# Allegro board 1119394-C028P02-36-DE2-C01_pcb.brd (continued)
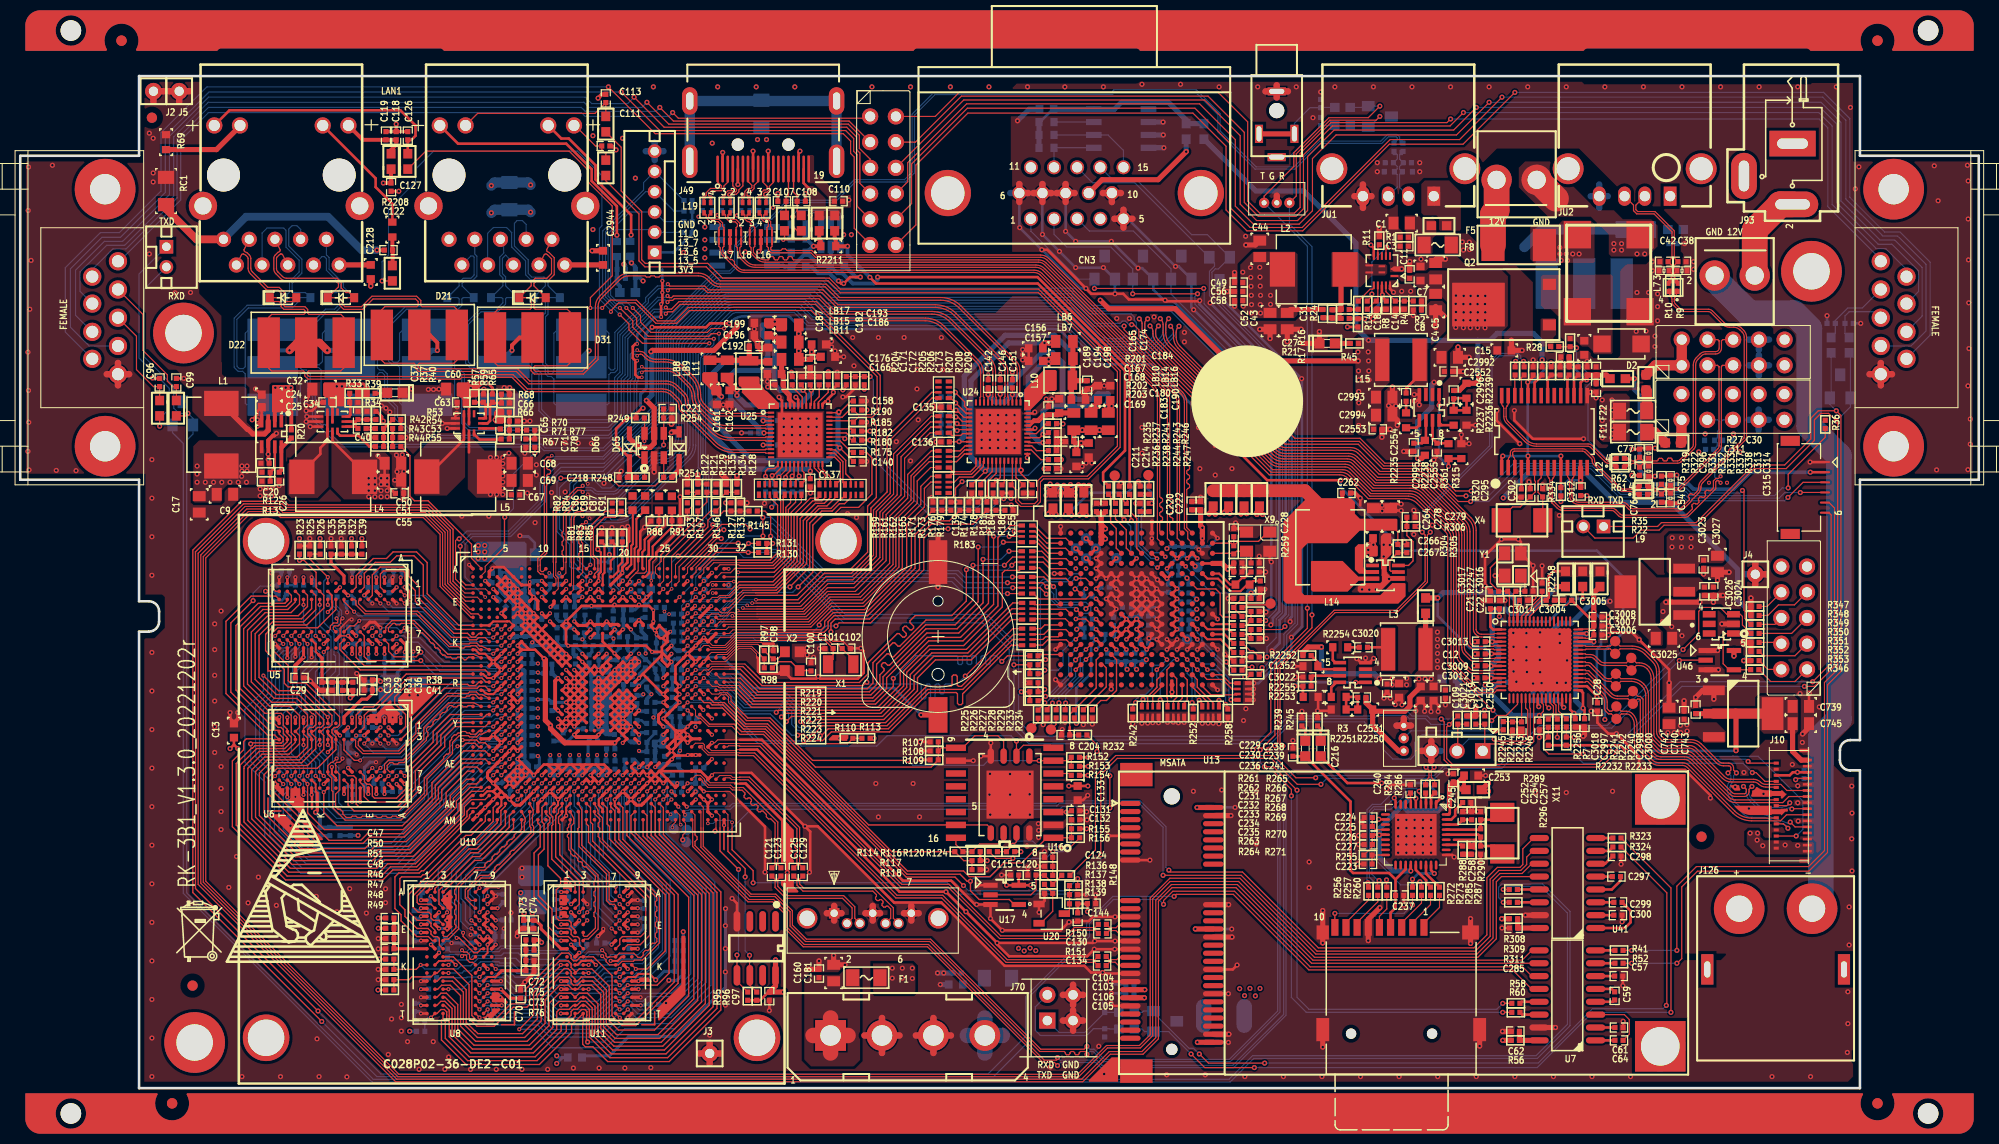
[diagram p0: board, top side]
## Routing (per net, layer and track width the routed paths; a pad name or vN(x,y) marks a point on that pad's centre or on a via; arc(x,y) is an arc through that point) (continued)
  BOTTOM w0.114: v2(174.6,58.37) 174.27,58.04 164.64,58.04 164.29,58.39 157.94,58.39 155.12,61.21 148.29,61.21 145.03,57.96 v2(143.26,57.96) ; v2(123.04,65.53) 122.3,66.27 122.3,68.12 113.64,76.78 105.66,76.78 103.96,78.49 80.14,78.49 79.1,79.53 68.94,79.53 63.77,74.37 63.77,67.15 57.58,60.96 53.39,60.96 51.87,59.44 51.87,57.94 48.44,54.51 44.68,54.51 43.94,53.77 43.94,50.5 v3(45.92,48.51)
GPIO8_4: length 0.6
  TOP w0.127: U10.J28 v1(66.72,45.32)
GPIO11_0: length 57.4
  TOP w0.095: U10.C25 64.34,50.14 64.34,52.53 64.39,52.58
  TOP w0.114: v1(59.21,76.43) 60.12,75.52 60.12,74.93 61.46,73.6 v1(68.06,73.6) ; v2(67.44,55.63) 64.39,52.58
  BOTTOM w0.114: R2260.1 65.53,87.71 J128.5 61.57,89.48 61.57,88.75 57.53,84.71 57.53,78.11 v1(59.21,76.43) ; v2(67.44,55.63) 67.44,60.86 66.97,61.33 66.97,72.5 v1(68.06,73.6)
GPIO13_4: length 99.2
  TOP w0.095: 67.13,52.22 66.32,51.41 U10.A28
  TOP w0.114: v2(145.72,35.31) 145.82,35.41 R2256.1 ; 67.13,52.22 68.76,53.85 v2(70.92,53.85)
  BOTTOM w0.114: v2(145.72,35.31) 145.34,34.92 138.48,34.92 137.72,34.16 137.72,32.89 137.34,32.51 135.56,32.51 134.6,33.47 134.6,34.35 132.75,36.2 125.65,36.2 123.49,34.04 99.62,34.04 97.69,35.97 97.69,43.33 95.05,45.97 81.33,45.97 74.85,52.45 71.42,52.45 70.92,52.96 v2(70.92,53.85)
GPIO13_5: length 53.8
  TOP w0.095: 66.65,52.53 65.52,51.4 U10.A27
  TOP w0.114: v1(60.5,77.09) 61.26,76.33 61.26,75.69 62.28,74.68 67.87,74.68 68.25,75.06 v1(69.52,75.06) ; v2(69.49,55.17) 69.29,55.17 66.65,52.53
  BOTTOM w0.114: v1(60.5,77.09) 59.84,77.75 58.91,77.75 58.32,78.34 58.32,84.3 58.85,84.84 62.4,84.84 J128.2 62.68,84.56 R2257.1 ; v2(69.49,55.17) 69.22,55.45 69.22,55.96 68.35,56.82 68.35,61.39 67.69,62.05 67.69,71.99 69.52,73.82 v1(69.52,75.06)
GPIO13_6: length 55.2
  TOP w0.095: 66.83,52.35 65.91,51.44 65.91,50.9 65.53,50.52 U10.B27
  TOP w0.114: 66.83,52.35 68.78,54.31 v2(69.24,54.31) ; v1(69.01,74.55) 68.25,74.55 68,74.3 62.03,74.3 60.88,75.44 60.88,76.07 v1(59.87,77.09)
  BOTTOM w0.114: v1(69.01,74.55) 69.01,73.65 67.45,72.09 67.45,61.79 68,61.24 68,56.74 68.94,55.8 68.94,54.61 v2(69.24,54.31) ; R2258.1 63.61,85.62 J128.3 60.21,86.58 58.06,84.43 58.06,78.26 58.83,77.5 59.46,77.5 v1(59.87,77.09)
GPIO13_7: length 55.5
  TOP w0.095: U10.B26 64.72,51.71 65.58,52.58
  TOP w0.114: 65.58,52.58 68.4,55.4 v2(68.4,55.65) ; v1(59.23,77.09) 60.5,75.82 60.5,75.18 61.65,74.04 v1(68.5,74.04)
  BOTTOM w0.114: v2(68.4,55.65) 67.74,56.31 67.74,60.96 67.21,61.49 67.21,72.19 68.5,73.48 v1(68.5,74.04) ; v1(59.23,77.09) 58.89,77.09 57.81,78.17 57.81,84.61 61.77,88.58 J128.4 64.57,86.66 R2259.1
HDMI_5V_DET: length 147.9
  TOP w0.114: U1.26 150.69,37.86 v2(150.98,37.57)
  TOP w0.254: v2(61.52,67.18) 61.39,67.18 60.83,66.62 R249.2 59.92,66.22 58.85,65.15 58.85,63.6 60.17,62.28 D66.1 ; v2(62.41,75.18) 67.74,75.18 68.12,75.57 v2(70.03,75.57) ; v2(116.08,67.16) 123.16,60.07 v2(130.43,60.07)
  TOP w0.508: R248.2 C218.1 60.17,60.55 D66.1
  PWR03 w0.254: v2(156.51,36.42) 152.15,36.42 151,37.57 v2(150.98,37.57)
  BOTTOM w0.254: v2(116.08,67.16) 111.71,71.53 106.07,71.53 102.96,74.64 arc(102.55,74.91) 102.07,75.01 77.19,75.01 75.92,76.28 71.54,76.28 arc(70.8,76.13) 70.17,75.71 v2(70.03,75.57) ; v2(130.43,60.07) 130.43,59.36 136.68,53.11 155.73,53.11 158.32,50.52 158.32,45.03 156.51,43.23 v2(156.51,36.42)
  BOTTOM w0.305: v2(62.41,75.18) 61.77,74.55 61.77,72.08 61.85,72 61.85,69.16 61.26,68.58 61.26,67.44 v2(61.52,67.18)
HDMI_7842_5V: length 60.6
  TOP w0.254: v2(84.68,80.14) 100.48,80.14 109.58,71.04 R241.1
  TOP w0.381: v2(78.36,83.19) R2211.2 79.07,83.67 78.92,83.82 LB12.1
  BOTTOM w0.381: 77.65,82.55 R1119.1 76.23,81.15 C2378.2 75.49,81.15 75.36,81.28 U58.8 ; 77.65,82.55 78.92,81.28 C2991.2 ; 77.65,82.55 78.28,83.19 v2(78.36,83.19) 77.62,83.92 R1121.1 R1120.1 ; v2(84.68,80.14) 84.68,79.88 84.3,79.5 82.22,79.5 81.2,80.52 80.7,80.52 80,81.22 C2991.2 ; C2991.2 80.06,81.34 U75.5
HDMI_7842_HPD: length 49
  TOP w0.254: R235.1 106.96,60.02 106.96,60.83 109.12,62.99 109.12,70.89 100.51,79.5 84.53,79.5 v2(83.92,80.11)
  TOP w0.381: L30.2 80.44,83.95 80.54,83.85 R2211.1 v2(81.71,83.19)
  BOTTOM w0.381: U75.4 81.65,83.13 v2(81.71,83.19) 81.71,82.32 v2(83.92,80.11)
HDMI_7842_TX0+: length 67
  TOP w0.114: U32.B13 114.27,54.33 114.27,67.67 arc(114.16,68.22) 113.85,68.69 101.18,81.36 arc(100.9,81.55) 100.58,81.61 73.57,81.61 arc(73.1,81.7) 72.69,81.97 72.19,82.48 72.19,82.57 72.19,83.04 72.05,83.17 U62.1 U62.8 72.05,85.02 72.19,85.16 72.19,85.4 71.97,85.62 71.83,85.62 71.56,85.88 71.56,86.27 L18.2
HDMI_7842_TX0-: length 67.1
  TOP w0.114: U32.A13 114.5,55.1 114.5,67.67 arc(114.38,68.31) 114.01,68.85 101.34,81.53 arc(100.99,81.76) 100.58,81.84 76.39,81.84 76.27,81.95 76.27,82.05 76.16,82.17 75.93,82.17 75.82,82.05 75.82,81.95 75.7,81.84 75.47,81.84 75.36,81.95 75.36,82.05 75.25,82.17 75.02,82.17 74.9,82.05 74.9,81.95 74.79,81.84 74.56,81.84 74.45,81.95 74.45,82.05 74.33,82.17 74.1,82.17 73.99,82.05 73.99,81.95 73.87,81.84 73.57,81.84 arc(73.18,81.92) 72.86,82.14 72.42,82.58 72.42,83.04 72.55,83.17 U62.2 U62.7 72.55,85.03 72.42,85.16 72.42,85.5 72.06,85.85 71.92,85.85 71.79,85.98 71.79,86.27 L18.3
HDMI_7842_TX1+: length 68
  TOP w0.114: U32.B12 113.31,54.3 113.31,67.91 arc(113.2,68.48) 112.88,68.96 101.03,80.81 arc(100.7,81.03) 100.32,81.1 72.58,81.1 arc(72.06,81.21) 71.62,81.5 71.16,81.96 arc(70.92,82.31) 70.84,82.73 70.84,83.04 70.7,83.17 U63.3 U63.6 70.7,85.02 70.84,85.16 70.84,85.37 70.61,85.6 70.07,85.6 69.66,86.01 69.66,86.27 L17.4
HDMI_7842_TX1-: length 68
  TOP w0.114: U32.A12 113.54,55.07 113.54,55.81 113.65,55.93 113.73,55.93 113.84,56.04 113.84,56.27 113.73,56.38 113.65,56.38 113.54,56.5 113.54,56.73 113.65,56.84 113.73,56.84 113.84,56.96 113.84,57.19 113.73,57.3 113.65,57.3 113.54,57.41 113.54,57.64 113.65,57.76 113.73,57.76 113.84,57.87 113.84,58.1 113.73,58.21 113.65,58.21 113.54,58.33 113.54,67.91 arc(113.41,68.57) 113.04,69.12 101.19,80.97 arc(100.79,81.24) 100.32,81.33 72.58,81.33 arc(72.15,81.42) 71.78,81.66 71.32,82.12 arc(71.13,82.4) 71.07,82.73 71.07,83.04 71.2,83.17 U63.4 U63.5 71.2,85.03 71.07,85.16 71.07,85.47 70.71,85.83 70.17,85.83 69.89,86.11 69.89,86.27 L17.1
HDMI_7842_TX2+: length 69
  TOP w0.114: L19.2 67.75,86.27 67.75,86.01 68.14,85.62 68.92,85.62 69.14,85.4 69.14,85.16 69,85.02 U63.8 U63.1 69,83.17 69.14,83.04 69.14,82.92 arc(69.21,82.56) 69.41,82.26 70.78,80.89 arc(71.11,80.67) 71.49,80.59 100.14,80.59 arc(100.47,80.53) 100.76,80.34 111.74,69.35 arc(112.17,68.72) 112.32,67.96 112.32,54.29 U32.B11
HDMI_7842_TX2-: length 68.9
  TOP w0.114: L19.3 67.98,86.27 67.98,86.11 68.24,85.85 69.01,85.85 69.37,85.5 69.37,85.16 69.5,85.03 U63.7 U63.2 69.5,83.17 69.37,83.04 69.37,82.92 arc(69.42,82.65) 69.57,82.42 70.12,81.87 70.32,81.87 70.54,81.65 70.54,81.45 70.94,81.05 arc(71.2,80.88) 71.49,80.82 100.14,80.82 arc(100.56,80.74) 100.92,80.5 111.91,69.51 arc(112.38,68.8) 112.55,67.96 112.55,58.44 112.66,58.32 112.71,58.32 112.83,58.21 112.83,57.98 112.71,57.87 112.66,57.87 112.55,57.75 112.55,57.52 112.66,57.41 112.71,57.41 112.83,57.29 112.83,57.07 112.71,56.95 112.66,56.95 112.55,56.84 112.55,56.61 112.66,56.49 112.71,56.49 112.83,56.38 112.83,56.15 112.71,56.04 112.66,56.04 112.55,55.92 112.55,55.06 U32.A11
HDMI_7842_TXC+: length 66.1
  TOP w0.114: U32.B14 115.32,54.29 115.32,54.97 114.99,55.3 114.99,67.78 arc(114.9,68.22) 114.65,68.6 101.43,81.82 arc(101.12,82.02) 100.76,82.09 78.54,82.09 78.1,82.54 74.16,82.54 73.9,82.8 73.9,83.02 73.75,83.17 U62.3 U62.6 73.75,85.02 73.89,85.16 73.89,85.53 73.79,85.62 73.46,85.62 73.22,85.87 73.22,86.27 L16.4
HDMI_7842_TXC-: length 66
  TOP w0.114: U32.A14 115.21,55.39 115.21,59.14 115.33,59.26 115.38,59.26 115.49,59.37 115.49,59.6 115.38,59.71 115.33,59.71 115.21,59.83 115.21,60.06 115.33,60.17 115.38,60.17 115.49,60.28 115.49,60.51 115.38,60.63 115.33,60.63 115.21,60.74 115.21,60.97 115.33,61.08 115.38,61.08 115.49,61.2 115.49,61.43 115.38,61.54 115.33,61.54 115.21,61.66 115.21,67.78 arc(115.11,68.31) 114.81,68.76 101.59,81.98 arc(101.21,82.23) 100.76,82.32 78.64,82.32 78.19,82.77 76.2,82.77 76.19,82.77 76.03,82.77 76.03,82.77 75.74,82.77 75.58,82.93 75.28,82.93 75.12,82.77 74.26,82.77 74.13,82.89 74.13,83.05 74.25,83.17 U62.4 U62.5 74.25,85.03 74.12,85.16 74.12,85.62 73.89,85.85 73.56,85.85 73.44,85.97 73.44,86.27 L16.1
HDMI_TX0N: length 139
  TOP w0.095: 54.68,51.99 54.68,51.97 54.66,51.95 54.66,49.26 U10.D13
  TOP w0.114: v1(55.54,56.52) 55.4,56.66 arc(55.36,56.68) 55.32,56.69 55.17,56.69 arc(54.83,56.55) 54.68,56.2 54.68,51.99 ; U1.5 145.59,43.72 145.52,43.65 143.66,43.65 arc(143.53,43.68) 143.42,43.75 143.27,43.9 arc(143.21,43.98) 143.19,44.08 143.19,54.98 arc(143.07,55.58) 142.73,56.08 138.94,59.87 arc(138.42,60.23) 137.79,60.35 134.07,60.35 132.06,62.36 arc(131.67,62.62) 131.22,62.71 124.89,62.71 arc(124.44,62.8) 124.06,63.06 113.63,73.49 arc(113.28,74.02) 113.15,74.65 113.15,75.44 arc(113.21,75.72) 113.37,75.97 v2(113.43,76.03)
  BOTTOM w0.114: v2(113.43,76.03) 113.37,75.97 arc(113.21,75.73) 113.15,75.44 113.15,74.89 arc(113.04,74.36) 112.74,73.9 111.77,72.93 arc(111.48,72.74) 111.13,72.67 107.1,72.67 arc(106.46,72.8) 105.91,73.16 103.55,75.53 arc(103.11,75.82) 102.6,75.92 78.19,75.92 76.94,77.17 70.47,77.17 arc(70.13,77.1) 69.84,76.9 66.45,73.51 arc(66.23,73.18) 66.15,72.8 66.15,63.55 arc(66.06,63.09) 65.81,62.71 60.29,57.19 arc(59.73,56.82) 59.08,56.69 55.95,56.69 arc(55.73,56.64) v1(55.54,56.52)
HDMI_TX0P: length 138.9
  TOP w0.095: U10.C13 54.44,49.84 54.44,51.95 54.42,51.97 54.42,51.99
  TOP w0.114: v2(112.6,76.03) 112.66,75.97 arc(112.83,75.73) 112.88,75.44 112.88,74.65 arc(113.03,73.92) 113.44,73.3 123.87,62.87 arc(124.34,62.56) 124.89,62.45 131.22,62.45 arc(131.57,62.38) 131.87,62.17 133.96,60.08 137.79,60.08 arc(138.31,59.98) 138.76,59.69 142.55,55.89 arc(142.83,55.47) 142.93,54.98 142.93,44.08 arc(142.97,43.88) 143.08,43.71 143.23,43.56 arc(143.43,43.43) 143.66,43.38 145.52,43.38 145.59,43.32 U1.6 ; v1(55.54,57.13) 55.4,56.99 arc(55.36,56.96) 55.32,56.96 55.17,56.96 arc(54.64,56.74) 54.42,56.2 54.42,51.99
  BOTTOM w0.114: v2(112.6,76.03) 112.66,75.97 arc(112.83,75.72) 112.88,75.44 112.88,74.89 arc(112.8,74.46) 112.55,74.09 111.58,73.12 arc(111.38,72.98) 111.13,72.94 107.1,72.94 arc(106.56,73.04) 106.1,73.35 103.73,75.72 arc(103.21,76.07) 102.6,76.19 78.3,76.19 77.05,77.43 70.47,77.43 arc(70.03,77.34) 69.65,77.09 66.26,73.7 arc(65.98,73.29) 65.89,72.8 65.89,63.55 arc(65.82,63.19) 65.62,62.9 60.1,57.38 arc(59.63,57.07) 59.08,56.96 58.12,56.96 57.9,57.18 57.69,57.18 57.47,56.96 57.2,56.96 57.01,57.15 56.75,57.15 56.55,56.96 55.95,56.96 arc(55.73,57) v1(55.54,57.13)
HDMI_TX1N: length 137.6
  TOP w0.095: U10.B12 53.9,50.9 53.9,51.96 53.92,51.98 53.92,51.99
  TOP w0.114: v2(112.42,75.31) 112.3,75.19 arc(112.18,75.01) 112.14,74.8 112.14,74.6 arc(112.22,74.22) 112.43,73.9 123.35,62.98 123.72,62.61 arc(124.2,62.29) 124.76,62.18 131.07,62.18 arc(131.46,62.1) 131.78,61.88 133.85,59.82 137.46,59.82 arc(138.16,59.68) 138.76,59.28 142.12,55.92 arc(142.51,55.34) 142.65,54.65 142.65,43.52 arc(142.7,43.27) 142.83,43.06 143.32,42.58 arc(143.46,42.48) 143.63,42.45 145.63,42.45 145.7,42.52 U1.8 ; v1(55.55,57.73) 55.38,57.9 55.15,57.9 53.92,56.67 53.92,51.99
  BOTTOM w0.114: v2(112.42,75.31) 112.4,75.29 arc(112.21,75.01) 112.15,74.68 112.15,74.48 arc(112.08,74.13) 111.87,73.83 111.59,73.55 arc(111.27,73.33) 110.89,73.25 107.39,73.25 arc(106.64,73.4) 106.01,73.83 103.71,76.13 arc(103.35,76.37) 102.92,76.45 78.62,76.45 77.39,77.68 70.12,77.68 arc(69.76,77.61) 69.46,77.41 65.83,73.78 arc(65.66,73.52) 65.6,73.22 65.6,63.97 arc(65.47,63.31) 65.09,62.76 64.66,62.32 arc(64.13,61.97) 63.51,61.85 63.43,61.85 arc(62.95,61.75) 62.55,61.48 59.16,58.09 arc(58.94,57.95) 58.69,57.9 55.96,57.9 arc(55.74,57.85) v1(55.55,57.73)
HDMI_TX1P: length 137.5
  TOP w0.095: 53.65,51.99 53.65,51.98 53.68,51.96 53.68,51.48 U10.A12
  TOP w0.114: v1(55.55,58.34) 55.38,58.17 55.04,58.17 53.65,56.78 53.65,55.03 53.52,54.89 53.52,54.57 53.65,54.44 53.65,54.12 53.52,53.98 53.52,53.66 53.65,53.52 53.65,53.2 53.52,53.06 53.52,52.74 53.65,52.61 53.65,51.99 ; U1.9 145.59,42.12 145.52,42.18 143.63,42.18 arc(143.36,42.24) 143.13,42.39 142.65,42.88 arc(142.45,43.17) 142.38,43.52 142.38,54.65 arc(142.26,55.23) 141.93,55.73 139.05,58.61 138.57,59.09 arc(138.06,59.43) 137.46,59.55 133.74,59.55 131.6,61.7 arc(131.36,61.86) 131.07,61.91 124.77,61.91 arc(124.1,62.05) 123.53,62.42 123.16,62.79 112.24,73.71 arc(111.97,74.12) 111.87,74.6 111.87,74.8 arc(111.83,75.01) 111.71,75.19 v2(111.59,75.31)
  BOTTOM w0.114: v2(111.59,75.31) 111.63,75.27 arc(111.82,75) 111.88,74.68 111.88,74.48 arc(111.83,74.23) 111.69,74.01 111.5,73.82 111.41,73.73 arc(111.17,73.58) 110.89,73.52 107.39,73.52 arc(106.75,73.65) 106.2,74.01 103.9,76.31 arc(103.45,76.62) 102.92,76.72 78.73,76.72 77.5,77.95 70.12,77.95 arc(69.66,77.86) 69.27,77.59 65.64,73.96 arc(65.41,73.62) 65.33,73.22 65.33,63.97 arc(65.22,63.41) 64.91,62.95 64.47,62.51 arc(64.03,62.22) 63.51,62.12 63.43,62.12 arc(62.85,62) 62.36,61.67 58.97,58.28 arc(58.84,58.2) 58.69,58.17 55.96,58.17 arc(55.74,58.21) v1(55.55,58.34)
HDMI_TX2N: length 142.7
  TOP w0.095: 52.91,51.99 52.91,51.97 52.89,51.95 52.89,50.66 53.14,50.42 53.14,49.34 U10.D11
  TOP w0.114: v2(111.36,76.01) 111.19,75.85 arc(111.11,75.72) 111.07,75.56 111.07,75.01 arc(111.17,74.53) 111.44,74.13 123.51,62.06 arc(123.97,61.75) 124.51,61.65 130.86,61.65 arc(131.24,61.57) 131.56,61.35 133.63,59.28 137.27,59.28 arc(137.94,59.15) 138.52,58.76 141.75,55.54 arc(142.02,55.13) 142.11,54.65 142.11,42.88 arc(142.18,42.55) 142.37,42.27 143.18,41.45 143.24,41.39 arc(143.4,41.29) 143.59,41.25 145.58,41.25 145.64,41.32 U1.11 ; 52.91,51.99 52.91,56.93 55.07,59.08 55.38,59.08 v1(55.56,58.91)
  BOTTOM w0.114: v2(111.36,76.01) 111.19,75.84 arc(111.1,75.71) 111.07,75.57 111.07,74.54 arc(111.02,74.26) 110.86,74.03 arc(110.59,73.85) 110.28,73.79 107.73,73.79 arc(106.88,73.96) 106.16,74.44 103.95,76.65 arc(103.57,76.9) 103.13,76.99 79.12,76.99 77.9,78.2 69.92,78.2 arc(69.52,78.12) 69.19,77.9 65.27,73.98 arc(65.11,73.74) 65.05,73.45 65.05,64.45 arc(64.89,63.67) 64.45,63 64.36,62.91 arc(63.87,62.59) 63.29,62.47 63.12,62.47 arc(62.69,62.38) 62.32,62.14 59.07,58.89 arc(58.85,58.74) 58.6,58.69 57.08,58.69 arc(56.82,58.74) 56.61,58.89 56.48,59.01 arc(56.41,59.06) 56.32,59.08 55.97,59.08 arc(55.75,59.04) v1(55.56,58.91)
HDMI_TX2P: length 142.6
  TOP w0.095: U10.C11 52.91,49.92 52.91,50.33 52.67,50.57 52.67,51.95 52.65,51.97 52.65,51.99
  TOP w0.114: 52.65,51.99 52.65,57.04 54.96,59.35 55.38,59.35 v1(55.56,59.52) ; U1.12 145.59,40.92 145.52,40.98 143.59,40.98 arc(143.3,41.04) 143.05,41.2 142.99,41.26 142.18,42.08 arc(141.93,42.44) 141.85,42.88 141.85,54.65 arc(141.77,55.03) 141.56,55.35 138.33,58.58 arc(137.84,58.9) 137.26,59.02 133.52,59.02 131.37,61.17 arc(131.14,61.32) 130.86,61.38 124.51,61.38 arc(123.87,61.51) 123.32,61.87 111.25,73.94 arc(110.92,74.43) 110.81,75.01 110.81,75.56 arc(110.78,75.72) 110.69,75.85 v2(110.53,76.01)
  BOTTOM w0.114: v2(110.53,76.01) 110.69,75.85 arc(110.77,75.72) 110.8,75.57 110.8,74.54 arc(110.77,74.37) 110.67,74.22 arc(110.49,74.1) 110.28,74.05 109.53,74.05 arc(109.44,74.09) 109.41,74.17 109.41,74.2 arc(109.37,74.29) 109.29,74.32 109.07,74.32 arc(108.99,74.29) 108.95,74.2 108.95,74.17 arc(108.92,74.09) 108.83,74.05 107.73,74.05 arc(106.98,74.2) 106.35,74.63 104.14,76.84 arc(103.68,77.15) 103.13,77.25 79.23,77.25 78.01,78.47 69.92,78.47 arc(69.42,78.37) 69,78.09 65.08,74.17 arc(64.86,73.84) 64.78,73.45 64.78,64.45 64.78,64.45 arc(64.65,63.77) 64.26,63.19 64.17,63.1 arc(63.77,62.83) 63.29,62.74 63.12,62.74 arc(62.58,62.63) 62.13,62.33 58.88,59.08 arc(58.75,58.99) 58.6,58.96 57.08,58.96 arc(56.92,58.99) 56.79,59.08 56.67,59.2 arc(56.51,59.31) 56.32,59.35 55.97,59.35 arc(55.75,59.39) v1(55.56,59.52)
HDMI_TXCN: length 133.7
  TOP w0.114: U1.2 145.59,44.92 145.52,44.85 144.33,44.85 arc(144.14,44.89) 143.98,44.99 143.9,45.07 arc(143.83,45.18) 143.8,45.31 143.8,55.11 arc(143.67,55.79) 143.28,56.36 139.22,60.43 arc(138.65,60.8) 137.99,60.93 134.32,60.93 132.33,62.92 arc(131.91,63.2) 131.41,63.3 124.97,63.3 arc(124.59,63.37) 124.27,63.59 114.54,73.32 arc(114.27,73.72) 114.17,74.2 114.17,74.68 arc(114.23,74.98) 114.4,75.23 v2(114.45,75.28) ; U10.B14 55.55,50.95 55.55,53.84 55.43,53.96 55.43,55.38 55.55,55.49 55.71,55.49 v1(55.88,55.32)
  BOTTOM w0.114: v2(114.45,75.28) 114.3,75.12 arc(114.2,74.99) 114.17,74.83 arc(114.11,74.5) 113.92,74.23 112.19,72.49 arc(111.71,72.17) 111.14,72.06 106.9,72.06 arc(106.28,72.18) 105.75,72.54 103.37,74.92 arc(102.91,75.23) 102.36,75.34 77.75,75.34 76.45,76.63 70.76,76.63 arc(70.48,76.58) 70.25,76.42 66.9,73.07 arc(66.77,72.88) 66.73,72.65 66.73,63.54 arc(66.58,62.8) 66.16,62.17 60.46,56.47 arc(59.8,56.03) 59.03,55.88 57.29,55.88 arc(57.2,55.86) 57.13,55.81 56.95,55.64 arc(56.79,55.53) 56.6,55.49 56.29,55.49 arc(56.07,55.45) v1(55.88,55.32)
HDMI_TXCP: length 133.6
  TOP w0.114: v2(113.62,75.28) 113.68,75.23 arc(113.85,74.98) 113.91,74.68 113.91,74.2 arc(114.02,73.62) 114.35,73.13 114.97,72.5 124.08,63.4 arc(124.49,63.13) 124.97,63.03 131.41,63.03 arc(131.81,62.95) 132.15,62.73 134.2,60.67 137.99,60.67 arc(138.55,60.56) 139.03,60.24 143.09,56.17 arc(143.42,55.68) 143.54,55.11 143.54,45.31 arc(143.58,45.08) 143.71,44.88 143.79,44.81 arc(144.04,44.64) 144.33,44.58 145.52,44.58 145.59,44.52 U1.3 ; v1(55.88,55.93) 55.71,55.76 55.44,55.76 55.17,55.49 55.17,53.85 55.28,53.73 55.28,52.93 55.17,52.82 55.17,52.47 55.28,52.36 55.28,51.48 U10.A14
  BOTTOM w0.114: v1(55.88,55.93) 56.02,55.79 arc(56.06,55.77) 56.1,55.76 56.6,55.76 arc(56.69,55.77) 56.76,55.82 56.94,56 arc(57.1,56.11) 57.29,56.15 57.72,56.15 arc(57.8,56.18) 57.84,56.27 arc(57.87,56.35) 57.96,56.39 58.18,56.39 arc(58.26,56.35) 58.3,56.27 arc(58.33,56.18) 58.42,56.15 59.03,56.15 arc(59.7,56.28) 60.27,56.66 65.97,62.36 arc(66.33,62.9) 66.46,63.54 66.46,72.65 arc(66.52,72.98) 66.71,73.26 70.06,76.61 arc(70.38,76.82) 70.76,76.9 76.56,76.9 77.86,75.6 102.36,75.6 arc(103.01,75.47) 103.56,75.11 105.94,72.73 arc(106.38,72.43) 106.9,72.33 111.14,72.33 arc(111.61,72.42) 112,72.68 113.74,74.42 arc(113.86,74.61) 113.91,74.83 arc(113.87,74.99) 113.78,75.12 v2(113.62,75.28)
HDMITX_CEC: length 26
  TOP w0.114: v2(53.39,60.27) 58.34,60.27 59.11,59.51 62.71,59.51 R251.2 63.56,60.36 U33.3
  TOP w0.127: U10.D15 v1(56.32,49.32)
  BOTTOM w0.127: v1(56.32,49.32) 55.91,49.73 55.91,50.32 54.84,51.38 54.46,51.38 54.28,51.56 54.28,53.72 53.01,54.99 53.01,59.89 v2(53.39,60.27)
HDMITX_HOTPLUG: length 154.3
  TOP w0.114: C221.1 R254.1 63.56,66.21 U33.4 63.55,64.69 v2(63.55,63.55) ; v2(146.28,33.55) 148.79,33.55 149.49,34.25 U1.23 ; v2(145.47,37.34) 145.41,37.34 141,41.76 141,54.42 arc(140.93,54.74) 140.75,55 137.99,57.77 arc(137.47,58.12) 136.85,58.24 133.15,58.24 131.11,60.27 arc(130.75,60.52) 130.32,60.6 123.37,60.6 109.03,74.94 v2(109.03,75.3)
  TOP w0.127: U10.A15 v1(56.32,51.72)
  BOTTOM w0.114: v2(146.28,33.55) 146.28,36.47 145.47,37.29 v2(145.47,37.34) ; v2(109.03,75.3) 106.03,75.3 103.76,77.57 79.6,77.57 78.41,78.77 69.29,78.77 64.5,73.97 64.5,66.73 63.55,65.79 v2(63.55,63.55) 63.25,63.25 62.28,63.25 58.34,59.31 57.45,59.31 56.67,60.1 55.19,60.1 54.66,59.56 54.66,55.13 56.32,53.47 v1(56.32,51.72)
HDMITX_REXT: length 2.5
  TOP w0.127: U10.E14 v1(55.52,48.52)
  BOTTOM w0.381: R399.2 R398.2 55.4,48.64 v1(55.52,48.52)
HDMITX_SCL: length 145.8
  TOP w0.114: v2(110.01,74.68) 110.01,74.4 123.55,60.86 130.44,60.86 arc(130.9,60.77) 131.3,60.51 133.3,58.5 137.12,58.5 arc(137.6,58.4) 138.01,58.13 141.01,55.13 arc(141.24,54.78) 141.33,54.36 141.33,41.81 144.07,39.07 145.59,39.07 145.84,39.32 U1.16 ; R248.1 61.66,60.36 U33.1 61.19,62.3 60.5,62.99 60.3,62.99 v2(60.27,63.02)
  TOP w0.127: U10.C15 v1(56.32,50.12)
  BOTTOM w0.114: v2(110.01,74.68) 110.24,74.9 110.24,75.67 110.03,75.87 110.03,76.2 109.73,76.5 105.59,76.5 103.96,78.13 80.09,78.13 78.94,79.27 69.08,79.27 64.02,74.21 64.02,67.05 60.27,63.31 v2(60.27,63.02)
  BOTTOM w0.127: v2(60.27,63.02) 57.86,60.6 54.56,60.6 53.26,59.31 53.26,55.24 54.66,53.85 54.66,51.94 56.32,50.28 v1(56.32,50.12)
HDMITX_SDA: length 141.7
  TOP w0.114: R249.1 61.66,66.2 U33.6 61.65,64.68 v1(61.65,63.93) ; v2(109.78,75.44) 109.98,75.44 110.49,74.93 110.49,74.32 123.7,61.11 130.64,61.11 arc(131.01,61.03) 131.33,60.82 133.41,58.74 137.17,58.74 arc(137.73,58.63) 138.2,58.32 141.29,55.23 arc(141.5,54.92) 141.57,54.54 141.57,41.92 144.14,39.34 145.49,39.34 145.86,39.72 U1.15
  TOP w0.127: U10.B15 v1(56.32,50.92)
  BOTTOM w0.114: v1(61.65,63.93) 61.67,63.96 61.67,64.29 64.26,66.87 64.26,74.09 69.19,79.02 78.69,79.02 79.86,77.85 103.86,77.85 106.15,75.57 108.64,75.57 108.86,75.79 109.17,75.79 109.52,75.44 v2(109.78,75.44)
  BOTTOM w0.127: v1(56.32,50.92) 55.04,52.2 55.04,53.98 54.28,54.74 54.28,59.69 54.94,60.35 58.12,60.35 60.12,62.36 60.38,62.36 61.65,63.63 v1(61.65,63.93)
I2C_SCL: length 154
  TOP w0.095: 68.02,52.22 U10.A29
  TOP w0.114: v2(157.04,33.26) 155.76,31.99 141.47,31.99 140.89,32.56 140.89,35.69 v2(141.15,35.94) R2245.2 ; v2(177.04,40.16) 178.87,41.99 178.87,56.64 178.65,56.86 J120.6
  TOP w0.124: R220.1 v2(98.15,41.83)
  TOP w0.127: 68.02,52.22 68.73,52.93 v2(71.91,52.93) R130.2
  TOP w0.254: R221.1 R220.1
  BOTTOM w0.114: v2(141.15,35.94) 139.34,35.94 138.79,36.5 137.21,36.5 136.88,36.83 134.04,36.83 133.71,36.5 125.55,36.5 123.44,34.39 99.82,34.39 98.15,36.07 v2(98.15,41.83) 98.15,43.61 95.31,46.44 81.37,46.44 74.88,52.93 v2(71.91,52.93) ; v2(177.04,40.16) 163.93,40.16 v2(157.04,33.26)
I2C_SDA: length 161.3
  TOP w0.095: U10.B28 66.32,50.55 66.75,50.98 66.75,51.46 67.39,52.1
  TOP w0.114: v2(140.36,36.47) 140.64,36.2 140.64,32.44 141.35,31.72 156.16,31.72 v2(157.67,33.24) ; v2(176.23,39.7) 177.22,39.7 179.2,41.68 179.2,57.33 178.67,57.86 J120.5 ; R2246.2 144.65,37.31 v2(144.63,37.34) ; v2(98.88,39.17) R223.1 ; 67.54,52.25 67.39,52.1
  TOP w0.127: 67.54,52.25 68.63,53.34 71.45,53.34 v2(71.93,53.82) R131.2
  TOP w0.254: R223.1 R224.1
  BOTTOM w0.114: v2(176.23,39.7) 164.13,39.7 v2(157.67,33.24) ; v2(71.93,53.82) 72.52,53.24 75.06,53.24 81.48,46.81 95.47,46.81 98.6,43.68 98.6,39.45 v2(98.88,39.17) 98.6,38.89 98.6,36.3 100.13,34.77 123.29,34.77 125.29,36.78 133.48,36.78 133.91,37.21 137.03,37.21 137.46,36.78 138.96,36.78 139.27,36.47 v2(140.36,36.47) 143.76,36.47 v2(144.63,37.34)
I2S0_SD_RX/I2S2_MCLK: length 39.9
  TOP w0.114: RN75.5 v2(98,50.51) ; v2(73.36,56.39) v2(73.36,54.56)
  TOP w0.127: U10.D28 v1(66.72,49.32)
  BOTTOM w0.095: 66.72,50.54 v1(66.72,49.32)
  BOTTOM w0.114: v2(73.36,56.39) 74.22,56.39 79.48,51.13 92.66,51.13 93.28,50.51 v2(98,50.51)
  BOTTOM w0.127: 66.72,50.54 70.74,54.56 v2(73.36,54.56)
IIS_MCLK: length 2.4
  TOP w0.114: U1.29 151.94,38.46 151.94,37.26 R2240.2
IIS_SCLK: length 2.2
  TOP w0.114: U1.28 151.49,38.05 151.69,37.85 151.69,36.6 R2242.1
IIS_WS: length 2.4
  TOP w0.114: U1.27 151.09,38.09 151.43,37.74 151.43,36.98 R2241.2
JTAG_EN: length 4.6
  TOP w0.127: U10.AK25 v1(64.32,28.52)
  BOTTOM w0.127: v1(64.32,28.52) 64.31,28.53 64.31,28.68 63.91,29.08 63.91,30.51 64.34,30.94 R391.1 64.24,31.14 63.65,31.14 R392.2
JTAG_SEL: length 0.8
  TOP w0.127: U10.AJ26 v1(64.32,29.32)
  BOTTOM w0.095: R390.2 64.4,29.24 v1(64.32,29.32)
JTAG_TCK: length 2.4
  TOP w0.095: v3(65.23,26.04) 65.15,26.11 65.15,26.97 64.81,27.32 U10.AL26
  BOTTOM w0.095: v3(65.23,26.04) 65.33,26.04 TP63.1
JTAG_TDI: length 0.4
  TOP w0.095: v3(65.66,27) 65.52,27.14 U10.AL27
JTAG_TDO: length 0.4
  TOP w0.095: v3(64.24,27.05) 63.97,27.32 U10.AL25
JTAG_TMS: length 0.9
  TOP w0.095: v3(64.41,25.76) 64.41,25.98 64.72,26.29 U10.AM26
JTAG_TRSTN: length 2.2
  TOP w0.095: 65.44,25 65.71,25.27 65.71,26.19 65.52,26.38 U10.AM27
  TOP w0.124: v2(65.44,24.54) 65.44,25
KEY_POWER: length 43
  TOP w0.114: R349.2 170.36,46.41 170.36,47.12 170.26,47.22 170.26,58.9 v2(170.1,59.05) ; R28.2 151.99,73.25 R27.2 153.62,73.25 v2(153.72,73.15)
  BOTTOM w0.114: v2(170.1,59.05) 169.85,58.8 165.02,58.8 164.52,59.31 159.56,59.31 154.86,64.01 154.86,68.2 154.61,68.45 154.61,69.22 155.24,69.85 155.24,70.23 153.72,71.76 v2(153.72,73.15)
KEY_RESET: length 87.2
  TOP w0.114: R148.1 106.2,23.55 106.2,30.86 108.2,32.87 123.8,32.87 126,30.67 v2(127.95,30.67) ; v2(164.24,43.33) 165.79,44.88 165.79,47.12 166.17,47.5 167.89,47.5 168.57,46.82 U45.3 169.89,46.82 170.1,46.61 170.1,45.77 R350.2
  BOTTOM w0.114: v2(127.95,30.67) 128.17,30.89 139.64,30.89 140.6,31.85 146.08,31.85 150.06,35.84 156.74,35.84 v2(164.24,43.33)
LED_EN: length 32.7
  TOP w0.114: R2240.1 R2233.1 153.44,34.7 v2(153.47,34.67) ; J10.6 v2(175.42,24.91)
  BOTTOM w0.114: v2(153.47,34.67) 155.35,32.79 171.65,32.79 176.07,28.37 176.07,25.57 v2(175.42,24.91)
LED_SATA: length 6.8
  TOP w0.114: R346.2 170.9,41.34 U46.4 168.8,41.34 168.2,41.94 168.2,44.63 168.49,44.92 U45.1
LSADC_IN: length 0.5
  TOP w0.305: U10.AJ28 v1(66.71,29.31)
MDCK: length 24
  TOP w0.114: U25.30 81.28,64.34 v2(81.45,64.17)
  TOP w0.127: R176.1 95.53,57.96 95.53,58.32 v2(95.52,58.33) 95.53,58.34 95.53,59.89 96.4,60.76 U24.30
  BOTTOM w0.114: v2(95.52,58.33) 94.59,57.4 89.71,57.4 82.25,64.87 81.97,64.87 81.45,64.35 v2(81.45,64.17)
